# Altium PCB W55RP20-EVB-Pico_V100.PcbDoc
Units mm, origin at the board's own origin, x right, y up, seen from the top; angles counter-clockwise.
Board outline 80 x 21 mm, 4 copper layers (Top Layer, Inner layer 1 (Gnd), Inner layer 2 (Vcc), Bottom Layer), stack 1.6 mm thick; 100 components, 84 nets, 397 pads, 181 vias.
Unrouted connection lines stored in the file: 36.
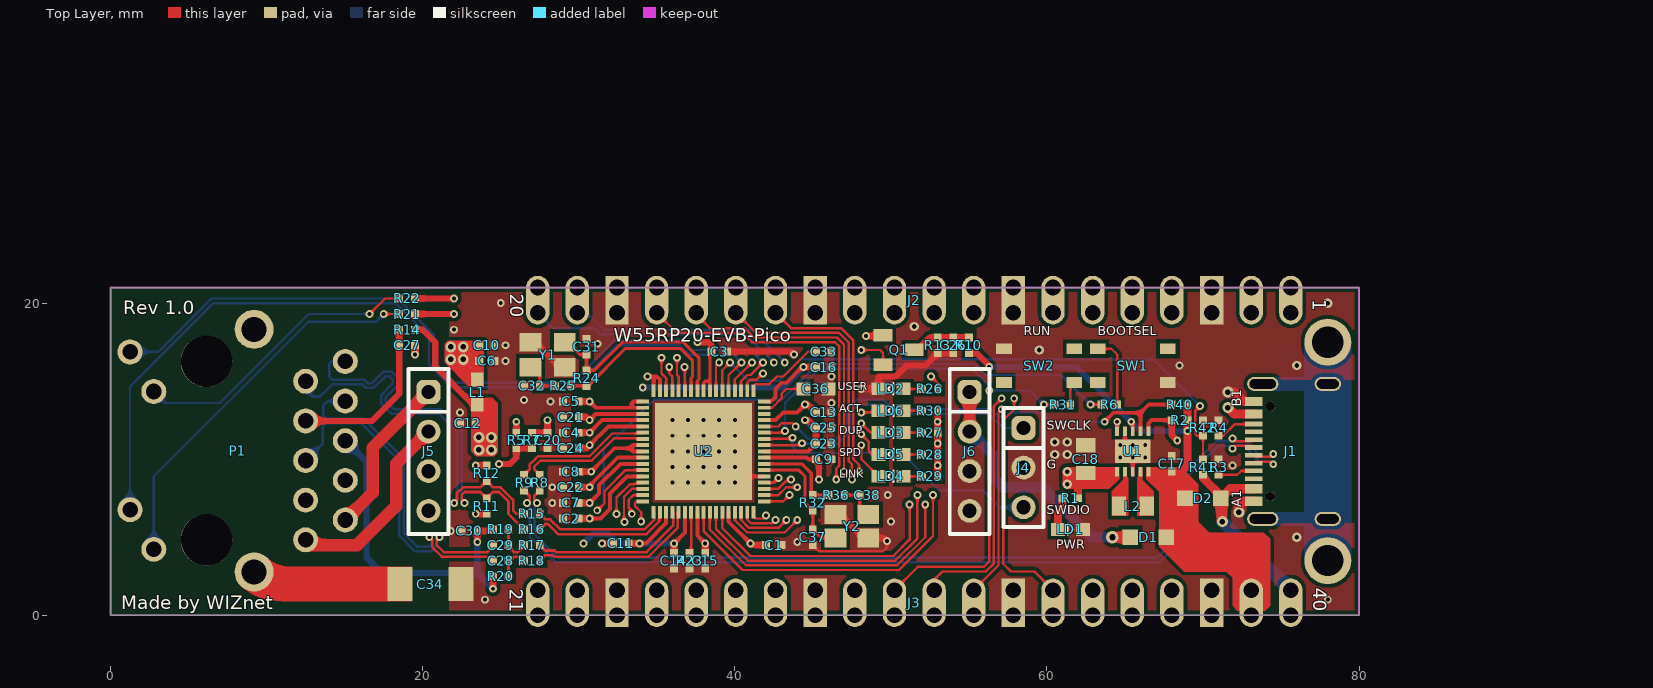
[diagram p0: Top Layer view]
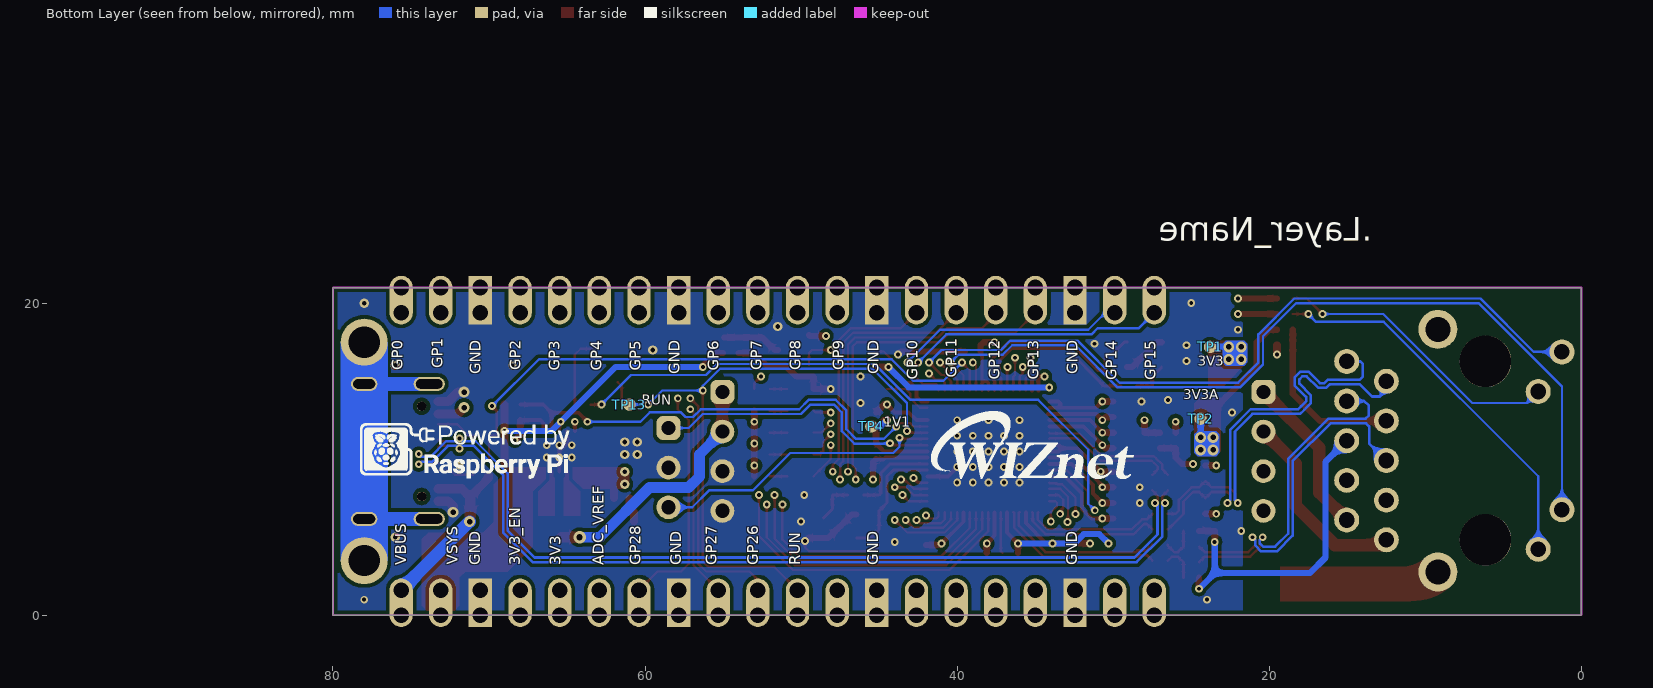
[diagram p1: Bottom Layer view, seen from below]
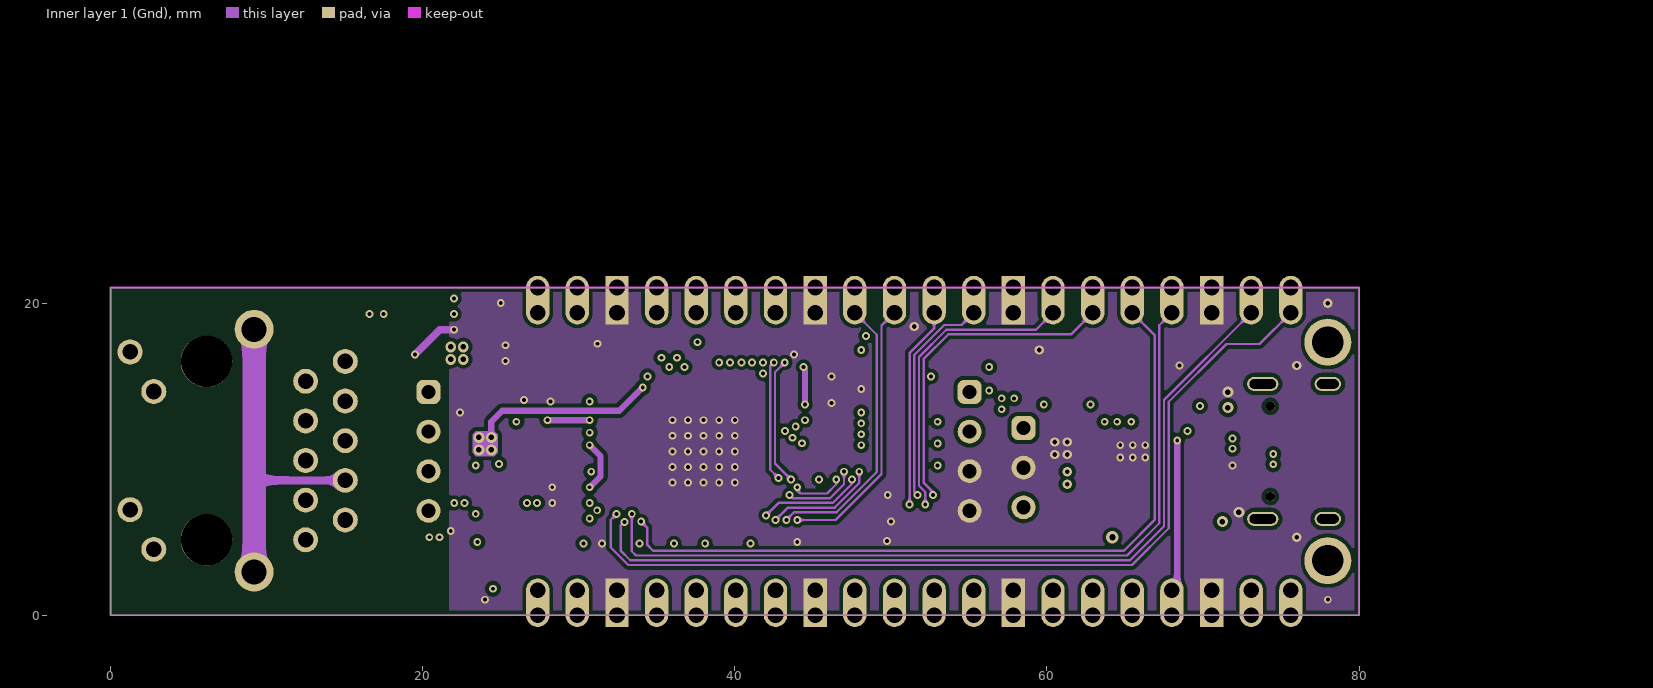
[diagram p2: Inner layer 1 (Gnd)]
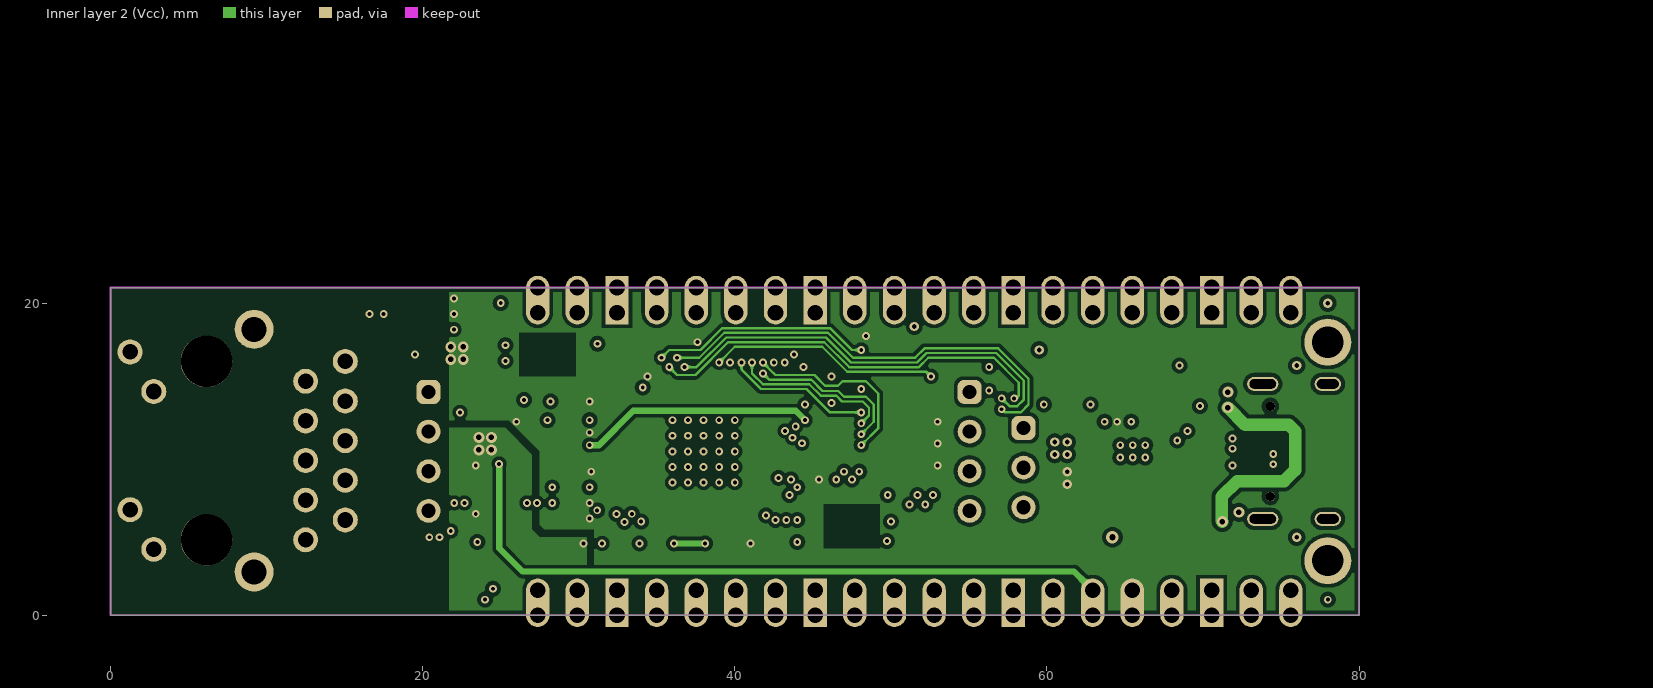
[diagram p3: Inner layer 2 (Vcc)]
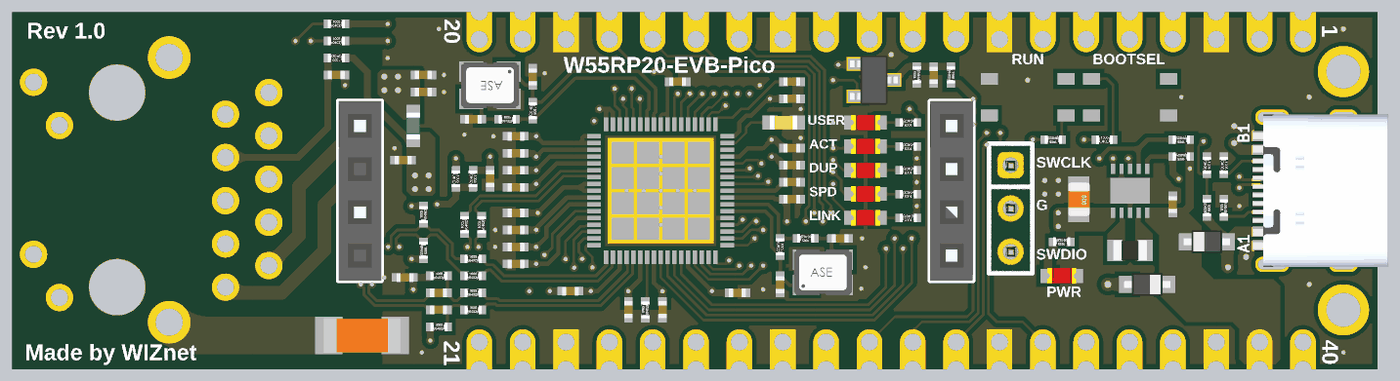
[diagram p4: 3D render of the assembled board from above, using the file's embedded part models]

## Layer stack, top to bottom
Top Solder: solder mask 0.01, Solder Resist, Dk 3.5
Top Layer: signal copper 0.1
Dielectric1: prepreg 0.4, FR-4, Dk 4.8
Inner layer 1 (Gnd): signal copper 0.1
Dielectric 1: prepreg 0.4, PP-006, Dk 4.1
Inner layer 2 (Vcc): signal copper 0.1
Dielectric 2: prepreg 0.4, PP-006, Dk 4.1
Bottom Layer: signal copper 0.1
Bottom Solder: solder mask 0.01, Solder Resist, Dk 3.5

## Board outline
0,0 80,0 80,21 0,21

## Design rules (kind name [scope] priority, off if disabled: settings)
BoardOutlineClearance [All] p1: gap=0.3 ignorepadtopadclearanceinfootprint=FALSE
Clearance [All] p1: gap=0.15 ignorepadtopadclearanceinfootprint=FALSE except(0.2: Arc-Hole Track-Hole SMDPad-Hole THPad-Hole Via-Hole Fill-Hole Poly-Hole Region-Hole Text-Hole; 0.25: Arc-Poly Track-Poly SMDPad-Poly THPad-Poly Via-Poly Fill-Poly Poly-Poly Poly-Region Poly-Text)
DiffPairsRouting [All] p1: maxlimit=0.135 minlimit=0.135 mostfreqgap=0.135 toplayer_minwidth=0.165 toplayer_maxwidth=0.165 toplayer_prefwidth=0.165 midlayer1_minwidth=0.165 midlayer1_maxwidth=0.165 midlayer1_prefwidth=0.165 midlayer2_minwidth=0.165 midlayer2_maxwidth=0.165 midlayer2_prefwidth=0.165 bottomlayer_minwidth=0.165 bottomlayer_maxwidth=0.165 bottomlayer_prefwidth=0.165 maxuncoupledlength=15.24
HoleSize [All] p1: absolutevalues=TRUE maxlimit=4.064 minlimit=0.025 maxpercent=80.000 minpercent=20.000
PlaneClearance [All] p1: clearance=0.3
PlaneConnect [All] p1: planeconnectstyle=Direct reliefexpansion=0.508 reliefentries=4 reliefconductorwidth=0.254 reliefairgap=0.254
PolygonConnect [All] p1: connectstyle=Direct reliefconductorwidth=0.6 reliefentries=4 polygonreliefangle="45 Angle" airgapwidth=0.35
RoutingVias [All] p1: holewidth=0.25 width=0.5 viastyle="Through Hole" minholewidth=0.25 minwidth=0.5 maxholewidth=0.5 maxwidth=0.8
SolderMaskExpansion [All] p1: expansion=0 istentingtop=FALSE
SupplyNets "Schematic Supply Nets_7" [InNet('3V3')] p1: voltage=0.000
SupplyNets "Schematic Supply Nets_6" [InNet('3V3A')] p2: voltage=0.000
SupplyNets "Schematic Supply Nets_5" [InNet('GND')] p3: voltage=0.000
SupplyNets "Schematic Supply Nets_4" [InNet('1V1')] p4: voltage=0.000
SupplyNets "Schematic Supply Nets_3" [InNet('POE')] p5: voltage=0.000
SupplyNets "Schematic Supply Nets_2" [InNet('VBUS')] p6: voltage=0.000
SupplyNets "Schematic Supply Nets_1" [InNet('VSYS')] p7: voltage=0.000
SupplyNets "Schematic Supply Nets" [InNet('CGND')] p8: voltage=0.000
Width [All] p1: maxlimit=2 minlimit=0.1 preferedwidth=0.15 minimp=50.000000 maximp=50.000000 favimp=50.000000
26 further rules are at their usual default settings.

## Classes and differential pairs
differential pair USB: +USB_DP -USB_DM
differential pair NewDifferentialPair4: +NetP1_R1 -NetP1_R2
differential pair NewDifferentialPair1: +NetC29_2 -NetC28_2

## Components (designator, comment, footprint, x,y, rotation, side; value= is the part's Value field where it differs from the comment)
C1 "1uF" CAP-0402 42.5,4.5 r180 top
C2 "0.1uF" CAP-0402 29.5,6.2 r0 top
C3 "0.1uF" CAP-0402 39,16.9 r180 top
C4 "0.1uF" CAP-0402 29.5,11.7 r0 top
C5 "0.1uF" CAP-0402 29.5,13.7 r0 top
C6 "0.1uF" CAP-0402 24.1,16.3 r180 top
C7 "0.1uF" CAP-0402 29.5,7.2 r0 top
C8 "0.1uF" CAP-0402 29.5,9.2 r0 top
C9 "0.1uF" CAP-0402 45.7,10 r180 top
C10 "0.1uF" CAP-0402 24.1,17.3 r180 top
C11 "1uF" CAP-0402 32.7,4.6 r0 top
C12 "0.1uF" CAP-0402 22.9,12.3 r0 top
C13 "0.1uF" CAP-0402 45.7,13 r180 top
C14 "1uF" CAP-0402 36.1,3.5 r90 top
C15 "0.1uF" CAP-0402 38.1,3.5 r90 top
C16 "0.1uF" CAP-0402 45.7,15.9 r180 top
C17 "10uF" CAP-0402 68,9.7 r270 top
C18 "47uF" CAP-0805 62.5,10 r270 top
C20 "2.2uF" CAP-0402 28,11.2 r90 top
C21 "2.2uF" CAP-0402 29.5,12.7 r0 top
C22 "1uF" CAP-0402 29.5,8.2 r0 top
C23 "0.1uF" CAP-0402 45.7,11 r180 top
C24 "0.1uF" CAP-0402 29.5,10.7 r0 top
C25 "0.1uF" CAP-0402 45.7,12 r180 top
C26 "0.1uF" CAP-0402 54,17.3 r270 top
C27 "22nF" CAP-0402 19,17.3 r180 top
C28 "6.8nF" CAP-0402 25,3.5 r180 top
C29 "6.8nF" CAP-0402 25,4.5 r180 top
C30 "0.1uF" CAP-0402 23,5.4 r0 top
C31 "18pF" CAP-0402 30.5,17.2 r270 top
C32 "18pF" CAP-0402 27,14.7 r0 top
C33 "0.1uF" CAP-0402 45.7,16.9 r180 top
C34 "1nF/2KV" CAP-1808 20.5,2 r0 top
C36 "4.7uF" CAP-0603 45.2,14.5 r180 top
C37 "15pF" CAP-0402 45,5 r270 top
C38 "15pF" CAP-0402 48.5,7.7 r0 top
D1 "BAT60A" SOD-323(1-C,2-A) 66.5,5 r180 top
D2 "BAT60A" SOD-323(1-C,2-A) 70,7.5 r0 top
J1 "*" USB-TYPE-C-31-M-12 78,10.5 r90 top locked
J2 "2.54mm 1x20 Pin Header DIP" IDC-1X20 75.63,19.39 r180 top locked
J3 "2.54mm 1x20 Pin Header DIP" IDC-1X20 27.37,1.61 r0 top locked
J4 "2.54mm 1x3 Pin Header DIP" IDC-1X3 58.5,12 r270 top locked
J5 "Header Socket 1x4_2.54mm" IDC-1X4(SOCKET) 20.375,14.31 r270 top locked
J6 "Header Socket 1x4_2.54mm" IDC-1X4(SOCKET) 55.044,14.31 r270 top locked
L1 "HH-1M1608-121JT" IND-0603 23.5,14.3 r270 top
L2 "2u2" L0805(2012) 65.5,7 r180 top
LD1 "Green" LED-0603-RED 61.5,5.5 r0 top
LD2 "Red" LED-0603-RED 50,14.51 r180 top
LD3 "Red" LED-0603-RED 50,11.71 r180 top
LD4 "Red" LED-0603-RED 50,8.91 r180 top
LD5 "Red" LED-0603-RED 50,10.31 r180 top
LD6 "Red" LED-0603-RED 50,13.11 r180 top
P1 "TRJ4284AHNL" RB1-ZZ-0049 6.15,10.55 r270 top locked
Q1 "Q-2N7002" SOT23-3L 50.5,17 r270 top
R1 "470R" RES-0402 61.5,7.5 r180 top
R2 "100K" RES-0402 68.5,12.5 r180 top
R3 "5.1k" RES-0402 71,9.5 r90 top
R4 "5.1k" RES-0402 71,12 r270 top
R5 "200R" RES-0402 26,11.2 r270 top
R6 "1K" RES-0402 64,13.5 r0 top
R7 "1R" RES-0402 27,11.2 r270 top
R8 "27R" RES-0402 27.5,8.5 r90 top
R9 "27R" RES-0402 26.5,8.5 r90 top
R10 "200K" RES-0402 55,17.3 r270 top
R11 "49.9R" RES-0402 24.1,7 r270 top
R12 "49.9R" RES-0402 24.1,9.1 r90 top
R13 "100K" RES-0402 53,17.3 r90 top
R14 "10R/1%" RES-0402 19,18.3 r180 top
R15 "3.3R" RES-0402 27,6.5 r0 top
R16 "3.3R" RES-0402 27,5.5 r0 top
R17 "3.3R" RES-0402 27,4.5 r0 top
R18 "3.3R" RES-0402 27,3.5 r0 top
R19 "49.9R" RES-0402 25,5.5 r0 top
R20 "49.9R" RES-0402 25,2.5 r0 top
R21 "330R" RES-0402 19,19.3 r0 top
R22 "330R" RES-0402 19,20.3 r0 top
R23 "12.4K/1%" RES-0402 37.1,3.5 r90 top
R24 "1M" RES-0402 30.5,15.2 r270 top
R25 "0R" RES-0402 29,14.7 r0 top
R26 "470R" RES-0402 52.5,14.5 r180 top
R27 "470R" RES-0402 52.5,11.7 r180 top
R28 "470R" RES-0402 52.5,10.3 r180 top
R29 "470R" RES-0402 52.5,8.9 r180 top
R30 "470R" RES-0402 52.5,13.1 r180 top
R31 "1K" RES-0402 61,13.5 r180 top
R32 "NC" RES-0402 45,7.2 r270 top
R36 "1K" RES-0402 46.5,7.7 r180 top
R40 "100K" RES-0402 68.5,13.5 r180 top
R41 "5.6K" RES-0402 70,9.5 r270 top
R42 "10K" RES-0402 70,12 r270 top
SW1 "RKB2SJK250SMTR LFS" SW-RKB2 65.5,16 r0 top
SW2 "RKB2SJK250SMTR LFS" SW-RKB2 59.5,16 r180 top
TP1 "TP" TPS 23.8,17.2 r0 bottom
TP2 "TP" TPS 24.4,12.6 r90 bottom
TP4 "TP" TPS 45.5,12.1 r90 bottom
TP13 "TP" TPS 61,13.5 r90 bottom
U1 "SGM62112-3.3" TDFN10(0.5/3X3) 65.5,10.5 r90 top
U2 "W55RP20" QFN68(0.4/8X8) 38,10.5 r90 top
Y1 "25MHz" OSC-82J0626 28,16.7 r180 top
Y2 "12MHz" OSC-TZ1067B 47.5,5.7 r0 top

## Footprints (in the part's own frame and the unit in brackets; to place one, negate y for a bottom-side part, rotate by r counter-clockwise, add the part's x,y. Pads: shape width x height; smd on the part's side, far side on the other; paste and mask are expansions set on the pad)
CAP-0402 [mm]
  rect 0.5x0.5 smd: 1(-0.5,0) 2(0.5,0)
  body extent -0.48,-0.25 0.52,0.25, height 0.6
CAP-0603 [mm] "Ceramic CAP 0603(1608)"
  rect 0.89x0.82 smd: 1(-0.8,0) 2(0.8,0)
  body extent -0.93,-0.41 0.93,0.41, height 0.81
CAP-0805 [mil]
  rect 36x49 smd: 1(-35,0)
  rect 35.43x49 smd: 2(35,0)
  body extent -39,-25 40,25, height 31
CAP-1808 [mm] "Ceramic CAP 1808(4520)"
  rect 1.6x2.2 smd: 1(-1.95,0) 2(1.95,0)
  body extent -2.25,-1.02 2.25,1.01, height 2
IDC-1X3 [mil]
  rrect50% 60x60 hole 36: 1(0,0)
  round 60 hole 36: 2(100,0) 3(200,0)
  silkscreen extent -50,-50 250,50, body extent -49,-49 251,51, height 336
IDC-1X4(SOCKET) [mil]
  rrect50% 60x60 hole 36: 1(0,0)
  round 60 hole 36: 2(100,0) 3(200,0) 4(300,0)
  silkscreen extent -58,-50 358,50, body extent -58,-49 358,49, height 341
IDC-1X20 [mm]
  oval 1.5x2.5 hole 1 copper offset 0,-0.5: 1(0,0) 2(2.54,0) 4(7.62,0) 5(10.16,0) 6(12.7,0) 7(15.24,0) 9(20.32,0) 10(22.86,0) 11(25.4,0) 12(27.94,0) 14(33.02,0) 15(35.56,0) 16(38.1,0) 17(40.64,0) 19(45.72,0) 20(48.26,0)
  oval 1.5x2.5 hole 1 copper offset 0,0.5: 1(0,-1.61) 2(2.54,-1.61) 4(7.62,-1.61) 5(10.16,-1.61) 6(12.7,-1.61) 7(15.24,-1.61) 9(20.32,-1.61) 10(22.86,-1.61) 11(25.4,-1.61) 12(27.94,-1.61) 14(33.02,-1.61) 15(35.56,-1.61) 16(38.1,-1.61) 17(40.64,-1.61) 19(45.72,-1.61) 20(48.26,-1.61)
  rect 1.5x2.5 hole 1 copper offset 0,0.5: 3(5.08,-1.61) 8(17.78,-1.61) 13(30.48,-1.61) 18(43.18,-1.61)
  rect 1.5x2.5 hole 1 copper offset 0,-0.5: 3(5.08,0) 8(17.78,0) 13(30.48,0) 18(43.18,0)
IND-0603 [mm] "Inductor 0603(1608)"
  rect 0.89x0.82 smd: 1(-0.8,0) 2(0.8,0)
  body extent -0.8,-0.4 0.8,0.4, height 0.95
L0805(2012) [mil]
  rect 36x49 smd: 1(-35,0)
  rect 35.43x49 smd: 2(35,0)
  body extent -39,-24 39,24, height 37
LED-0603-RED [mm] "LED-0603-RED"
  rect 0.89x0.82 smd: 1(-0.8,0) 2(0.8,0)
  silkscreen extent -0.18,-0.38 0.2,0.38, body extent -0.85,-0.45 0.85,0.45, height 0.9
OSC-82J0626 [mm]
  rect 1.4x1.2 smd: 1(-1.1,-0.8) 2(1.1,-0.8) 3(1.1,0.8) 4(-1.1,0.8)
  body extent -1.7,-1.35 1.7,1.35, height 1.06
OSC-TZ1067B [mm]
  rect 1.4x1.2 smd: 1(-1.05,-0.75) 2(1.05,-0.75) 3(1.05,0.75) 4(-1.05,0.75)
  body extent -1.7,-1.35 1.7,1.35, height 1.06
QFN68(0.4/8X8) [mm]
  rect 0.8x0.25 smd mask+0: 1(-3.9,3.2) 2(-3.9,2.8) 3(-3.9,2.4) 4(-3.9,2) 5(-3.9,1.6) 6(-3.9,1.2) 7(-3.9,0.8) 8(-3.9,0.4) 9(-3.9,0) 10(-3.9,-0.4) 11(-3.9,-0.8) 12(-3.9,-1.2) 13(-3.9,-1.6) 14(-3.9,-2) 15(-3.9,-2.4) 16(-3.9,-2.8) 17(-3.9,-3.2) 35(3.9,-3.2) 36(3.9,-2.8) 37(3.9,-2.4) 38(3.9,-2) 39(3.9,-1.6) 40(3.9,-1.2) 41(3.9,-0.8) 42(3.9,-0.4) 43(3.9,0) 44(3.9,0.4) 45(3.9,0.8) 46(3.9,1.2) 47(3.9,1.6) 48(3.9,2) 49(3.9,2.4) 50(3.9,2.8) 51(3.9,3.2)
  rect 0.25x0.8 smd mask+0: 18(-3.2,-3.9) 19(-2.8,-3.9) 20(-2.4,-3.9) 21(-2,-3.9) 22(-1.6,-3.9) 23(-1.2,-3.9) 24(-0.8,-3.9) 25(-0.4,-3.9) 26(0,-3.9) 27(0.4,-3.9) 28(0.8,-3.9) 29(1.2,-3.9) 30(1.6,-3.9) 31(2,-3.9) 32(2.4,-3.9) 33(2.8,-3.9) 34(3.2,-3.9) 52(3.2,3.9) 53(2.8,3.9) 54(2.4,3.9) 55(2,3.9) 56(1.6,3.9) 57(1.2,3.9) 58(0.8,3.9) 59(0.4,3.9) 60(0,3.9) 61(-0.4,3.9) 62(-0.8,3.9) 63(-1.2,3.9) 64(-1.6,3.9) 65(-2,3.9) 66(-2.4,3.9) 67(-2.8,3.9) 68(-3.2,3.9)
  rect 6.2x6.2 smd paste-4 mask+0: 69(0,0)
  body extent -4,-4 4,4, height 0.9
RB1-ZZ-0049 [mm]
  round 3.3 hole 3.3: 0(-5.715,0) 0(5.715,0)
  round 1.6 hole 1: L1(6.325,-3.38) L2(3.785,-4.9) L3(-3.785,-3.38) L4(-6.325,-4.9) R1(-5.715,8.89) R2(-4.445,6.35) R3(-3.175,8.89) R4(-1.905,6.35) R5(-0.635,8.89) R6(0.635,6.35) R7(1.905,8.89) R8(3.175,6.35) R9(4.445,8.89) R10(5.715,6.35)
  round 2.5 hole 1.6: S1(-7.775,3.05) S2(7.775,3.05)
  Top Layer pour cut-out: -8.8,-7.6 8.8,-7.6 8.8,-4.6 -8.8,-4.6
  Top Layer pour cut-out: -2.6,-8.3 -2.6,-5.4 2.6,-5.4 2.6,-8.3
  Top Layer pour cut-out: 5.13,1.65 5.13,5.4 6.33,5.4 6.33,1.65
  Top Layer pour cut-out: -6.3,1.65 -6.3,5.4 -5.1,5.4 -5.1,1.65
  body extent -7.9,-10.9 8,10.9, height 13.35
RES-0402 [mm]
  rect 0.5x0.5 smd: 1(-0.5,0) 2(0.5,0)
  body extent -0.5,-0.25 0.5,0.25, height 0.35
SOD-323(1-C,2-A) [mm]
  rect 1x1 smd: 1(-1.15,0) 2(1.15,0)
  body extent -1.35,-0.67 1.35,0.68, height 0.79
SOT23-3L [mm]
  rect 0.8x1.2 smd paste-0.07: 1(-0.95,-1) 2(0.95,-1) 3(0,1)
  body extent -1.45,-1.4 1.45,1.4, height 1.28
SW-RKB2 [mm]
  rect 1x0.7 smd: 1(-2.25,1.075) 2(2.25,1.075) 3(-2.25,-1.075) 4(2.25,-1.075)
  body extent -2.1,-1.6 2.1,1.6, height 2.5
TDFN10(0.5/3X3) [mm]
  rect 1.5x2.3 smd: 0(0,0)
  rect 0.6x0.25 smd: 1(-1.3,1) 2(-1.3,0.5) 3(-1.3,0) 4(-1.3,-0.5) 5(-1.3,-1) 6(1.3,-1) 7(1.3,-0.5) 8(1.3,0) 9(1.3,0.5) 10(1.3,1)
TPS [mm]
  round 0.8 smd: 1(0,0)
USB-TYPE-C-31-M-12 [mm]
  rect 0.6x1.14 smd mask+0.05: A1_B12(-3.2,4.75) A4_B9(-2.4,4.75) B1_A12(3.2,4.75) B4_A9(2.4,4.75)
  rect 0.3x1.14 smd mask+0.05: A5(-1.25,4.75) A6(-0.25,4.75) A7(0.25,4.75) A8(1.25,4.75) B5(1.75,4.75) B6(0.75,4.75) B7(-0.75,4.75) B8(-1.75,4.75)
  oval 0.9x2 hole 0.6 slot 1.7 at 90 deg: S1(-4.325,4.17) S2(4.325,4.17)
  oval 0.9x1.7 hole 0.6 slot 1.4 at 90 deg: S3(-4.325,0) S4(4.325,0)
  round 0.6 hole 0.6 unplated: ""(-2.89,3.68) ""(2.89,3.68)
  body extent -4.47,-2.6 4.47,5.31, height 3.31

## Part data
C1 C2 C3 C4 C5 C6 C7 C8 C9 C10 C11 C12 C13 C14 C15 C16 C17 C20 C21 C22 C23 C24 C25 C26 C27 C28 C29 C30 C31 C32 C33 C37 C38: library part CAP-0402, "Ceramic CAP 0402(1005)"
C18: library part CAP-0805, "MLCC-0805(2012)"
C34: library part CAP-1808, "MLCC-1808(4520)"
C36: library part CAP-0805, "Ceramic CAP 0805(2012)"
D1 D2: library part DIODE-BAT60A, "Silicon Schottky Diode"
J1: library part TYPE-C-31-M-12, "USB Connectors 24 Receptacle 1 8.94*7.3mm RoHS", Package=Package, Availability="Not in stock", Check_prices=https://www.snapeda.com/parts/TYPE-C-31-M-12/HRO+Electronics+Co.%252C+Ltd./view-part/?ref=eda, MF="HRO Electronics Co., Ltd.", MP=TYPE-C-31-M-12, Price=None, SnapEDA_Link=https://www.snapeda.com/parts/TYPE-C-31-M-12/HRO+Electronics+Co.%252C+Ltd./view-part/?ref=snap
J5 J6: "Connector", Manufacturer_Name=Harwin, Manufacturer_Part_Number=M20-7820442, Mouser Part Number=855-M20-7820442, Datasheet Link=https://cdn.harwin.com/pdfs/M20-782.pdf, Height=8.65mm, Mouser Price/Stock=https://www.mouser.co.uk/ProductDetail/Harwin/M20-7820442?qs=vF78I%252BjhbY9ZgDLCXkGx4w%3D%3D
L1: library part IND-0603, "Inductor 0603(1608)"
L2: library part IND-0805, "Inductor 0805(2012)"
LD1 LD2 LD3 LD4 LD5 LD6: library part LED-0603, "LED-0603"
P1: library part RB1-ZZ-0049, "PoE RJ45"
Q1: "N-Channel 60-V (D-S) MOSFET"
R1 R2 R3 R4 R5 R6 R7 R8 R9 R10 R11 R12 R13 R14 R15 R16 R17 R18 R19 R20 R21 R22 R23 R24 R25 R26 R27 R28 R29 R30 R31 R32 R36 R40 R41 R42: library part RES-0402, "RES-0402"
SW1 SW2: library part CMP-10040-000001-2, "RKB2 DC 12V 50 mA max. 200mΩ max. 100MΩ 250 gf, -40˚C to 90˚C", Case/Package=SMD/SMT, Color=Black, Current Rating=50mA, Max Operating Temperature=85°C, Min Operating Temperature=-40°C, Operating Force=160gf, Package Quantity=2900, Voltage Rating (DC)=16V, Actuator Type=Standard, Contact Plating=Silver, Depth=4.6mm, Illumination Type=Non-Illuminated, Lead Free="Lead Free", Length=3.2mm, Max Current Rating=50mA, Mechanical Life=150000Cycles, Mount="Surface Mount", Orientation=Straight, Packaging="Tape and Reel", RoHS Compliant=Yes, Switch Function=Off-Mom, Switch Travel=0.15mm, Termination=J-Bend, Throw Configuration=SPST
TP1 TP2 TP4 TP13: "Test_point", Contact Resistance=20mOhm, Manufacturer="Wurth Elektronik", Operating Temperature=-40to105degC, Package Reference=61300211121, Rated Current=3A, Withstanding Voltage=500VAC, Working Voltage=250VAC, Datasheet URL=https://katalog.we-online.de/em/datasheet/6130xx11121.pdf, Gender=Male, Manufacturer URL=http://www.we-online.de, Mounting Technology=THT, Orientation=Vertical, Packaging=Bag, Part Number=61300211121, Pin Number=2, Pitch=2.54mm, Publisher=WurthElektronik, Row Number=Single
U1: "Buck-Boost Switching Regulator IC Positive Adjustable 1.8V 1 Output 800mA 10-WFDFN Exposed Pad", Package="WFDFN-10 Richtek", Digi-Key_Part_Number=1028-1259-1-ND, Digi-Key_Purchase_URL=https://www.digikey.com/product-detail/en/richtek-usa-inc/RT6150AGQW/1028-1259-1-ND/4733181?utm_source=snapeda&utm_medium=aggregator&utm_campaign=symbol, MF="Richtek USA", MP=RT6150AGQW, SnapEDA_Link=https://www.snapeda.com/parts/RT6150AGQW/Richtek%20USA%20Inc./view-part/1219544/?ref=snap
U2: library part W55RP20_2, "WIZnet Hardwired TCP/IP Chip"
Y1: library part OSC-82J0626-25MHz, "X-tal 25MHz,3.2x2.5 SMD, CL=18pF"
Y2: library part OSC-TZ1067B-12MHz, "X-tal 12MHz,3.2x2.5 SMD, CL=20pF"

## Free pads (board coordinates)
  round 3 hole 2: 1(78,3.5) 1(78,17.5)
  round 0 on Mech16 paste+0 mask+0: 1(96.4,35.9)

## Via types
v1: diameter 0.5, hole 0.25, Top Layer to Bottom Layer, tented both sides, 157 vias
v2: diameter 0.7, hole 0.35, Top Layer to Bottom Layer, tented both sides, 12 vias
v3: diameter 0.6, hole 0.3, Top Layer to Bottom Layer, tented both sides, 11 vias
v4: diameter 0.8, hole 0.4, Top Layer to Bottom Layer, tented both sides, 1 vias
